# Altium PCB KK_Triangle_cubic.PcbDoc
Units mm, origin at the board's own origin, x right, y up, seen from the top; angles counter-clockwise.
Board outline 136.11 x 69.1 mm, 4 copper layers (Top Layer, POWER, GND, Bottom Layer), stack 0.603 mm thick; 131 components, 100 nets, 491 pads, 151 vias.
Unrouted connection lines stored in the file: 342.
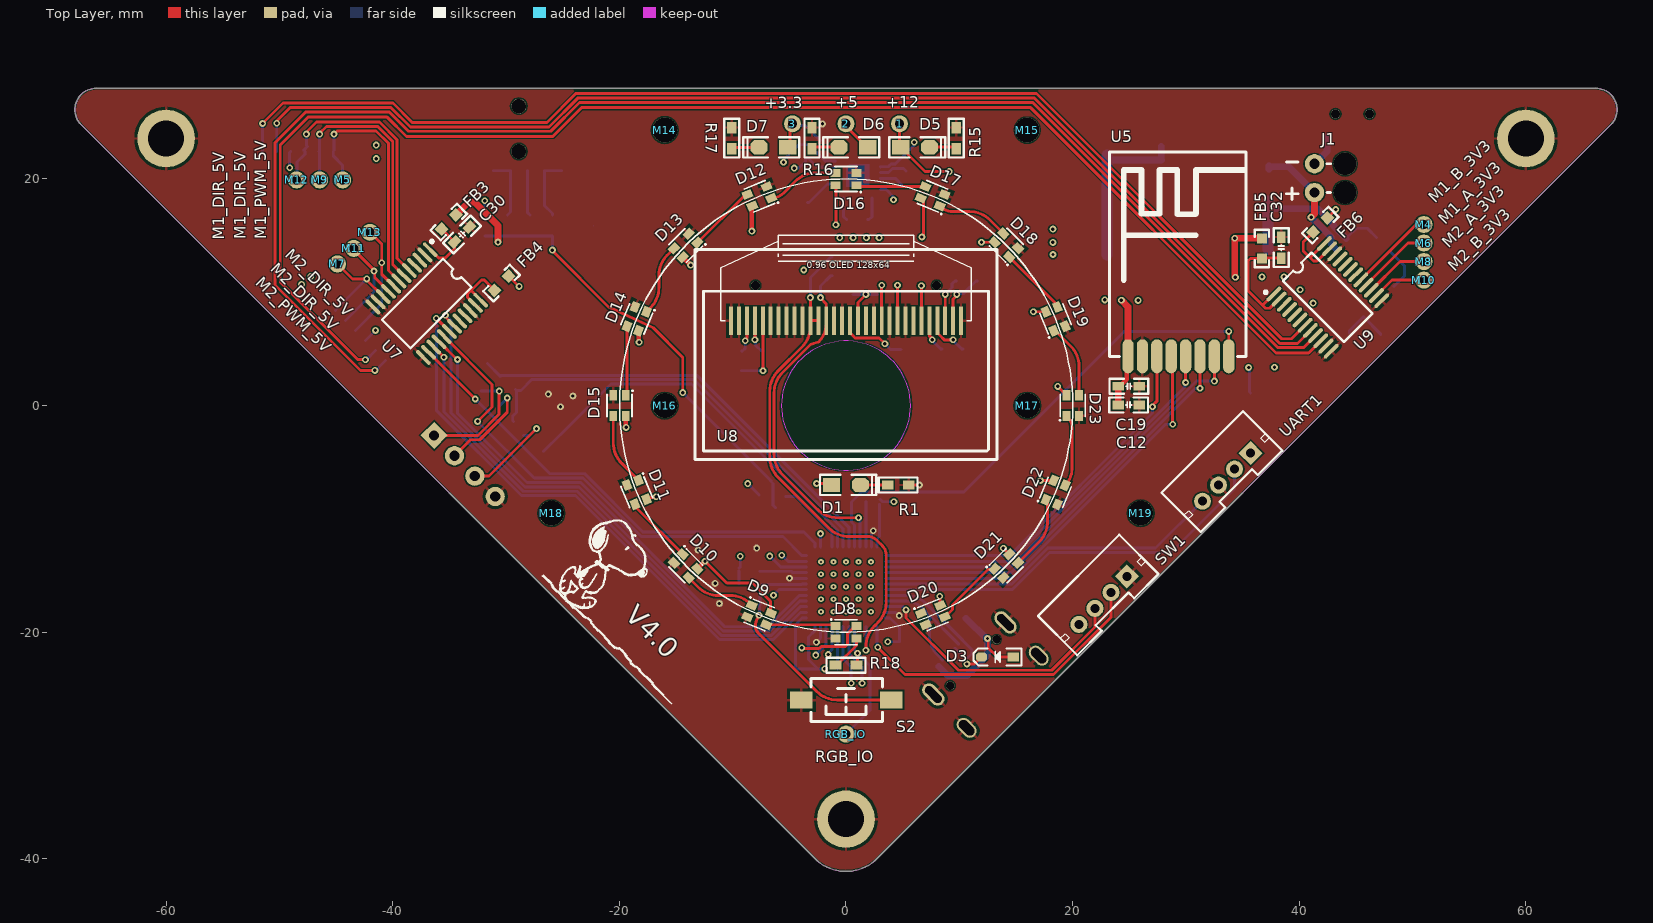
[diagram p0: Top Layer view]
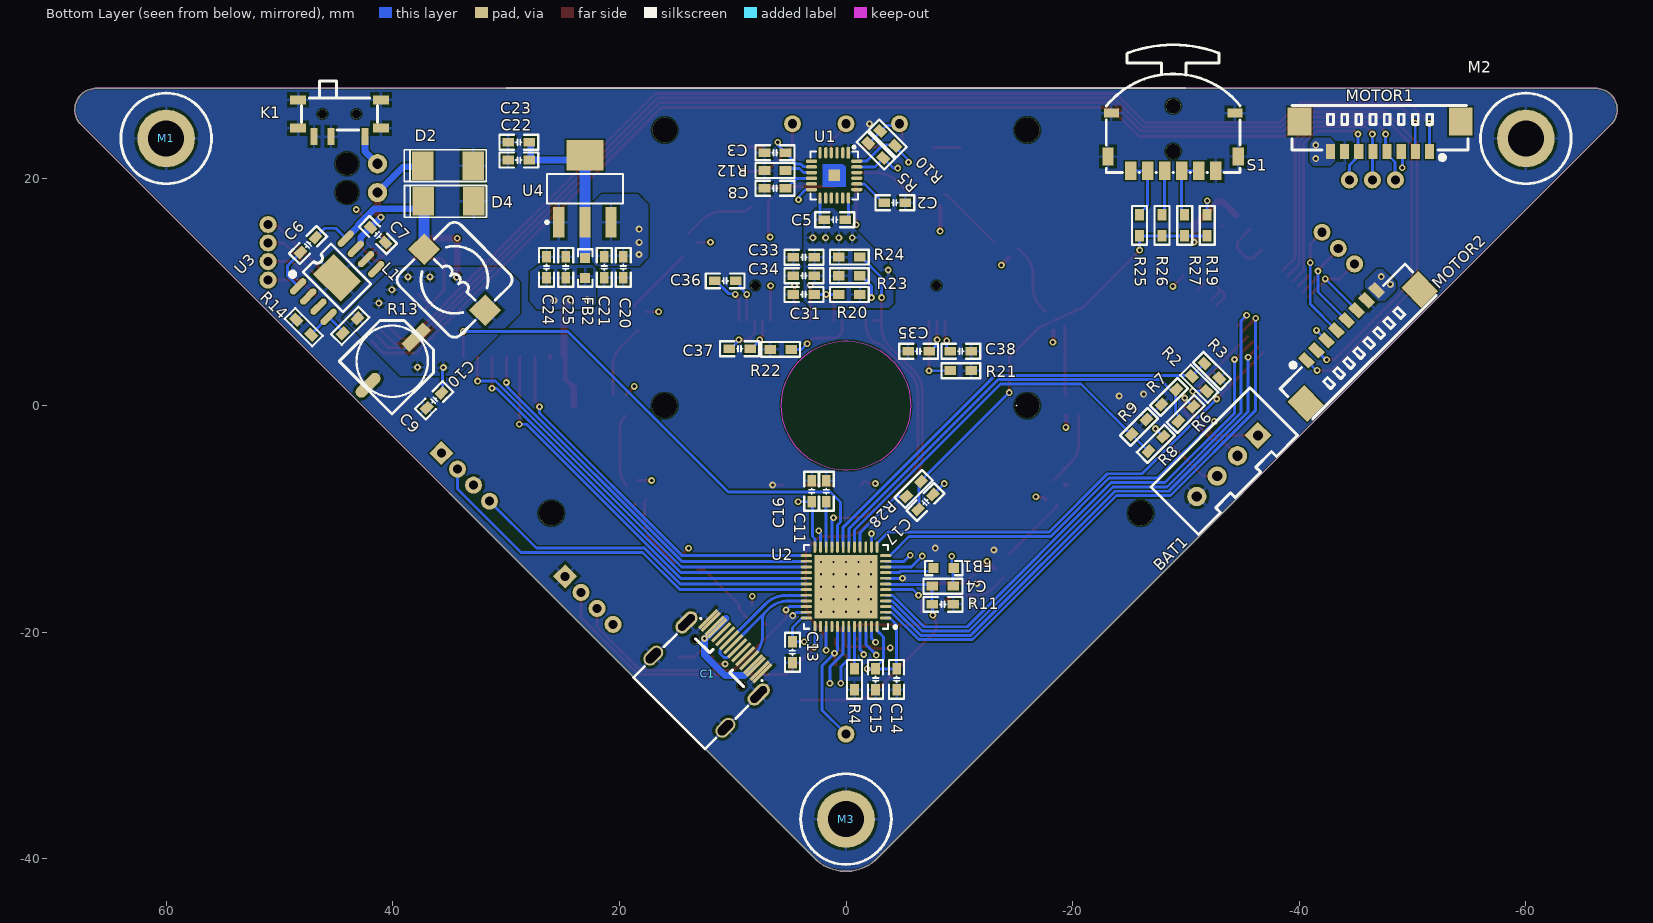
[diagram p1: Bottom Layer view, seen from below]
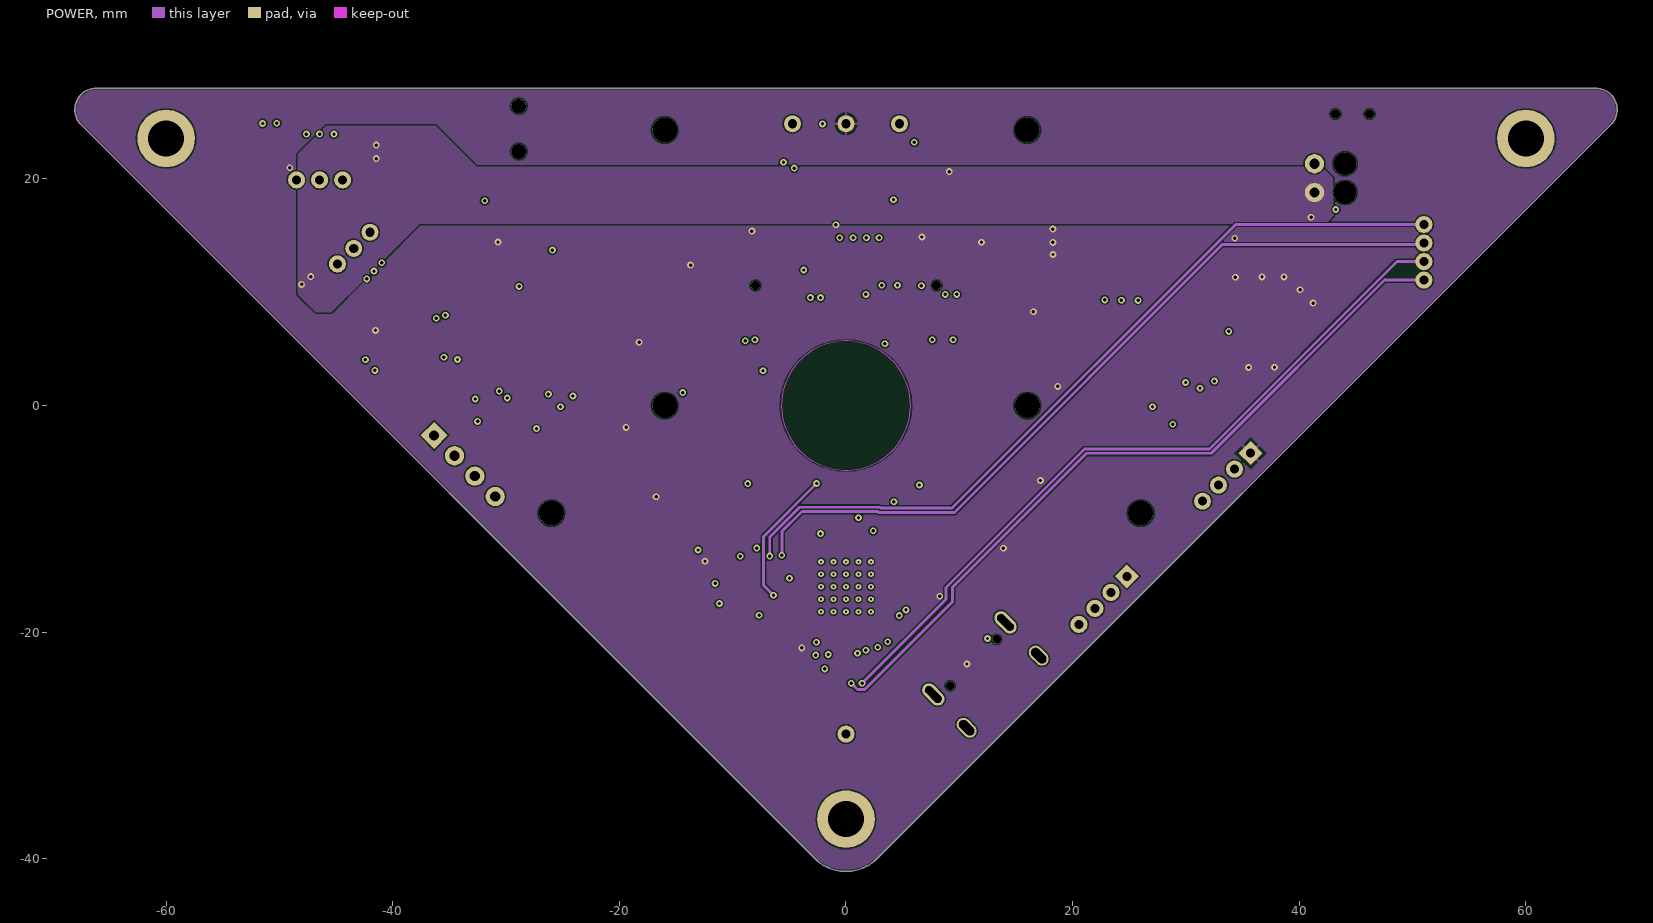
[diagram p2: POWER]
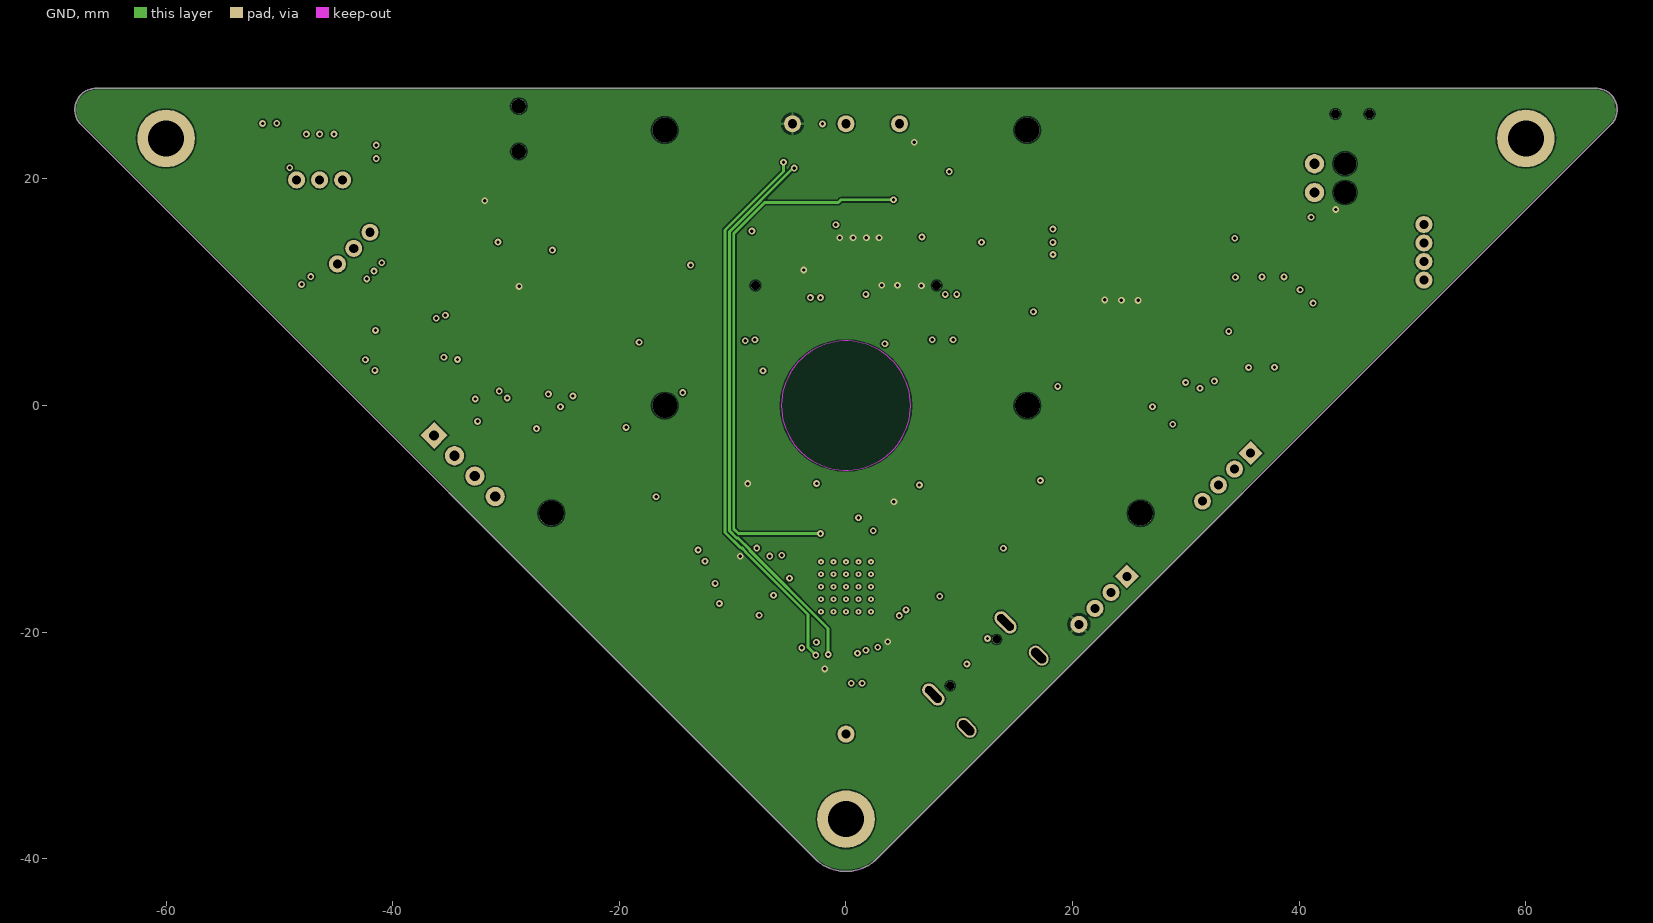
[diagram p3: GND]
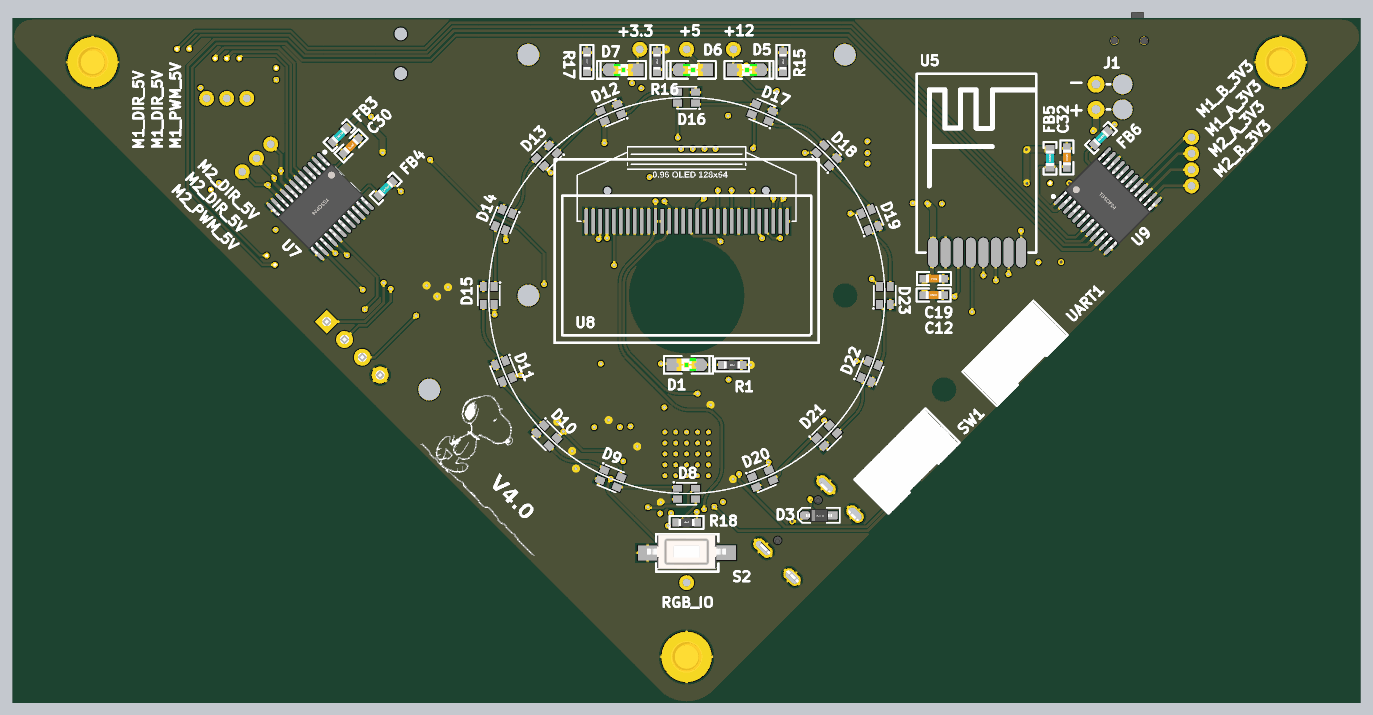
[diagram p4: 3D render of the assembled board from above, using the file's embedded part models]
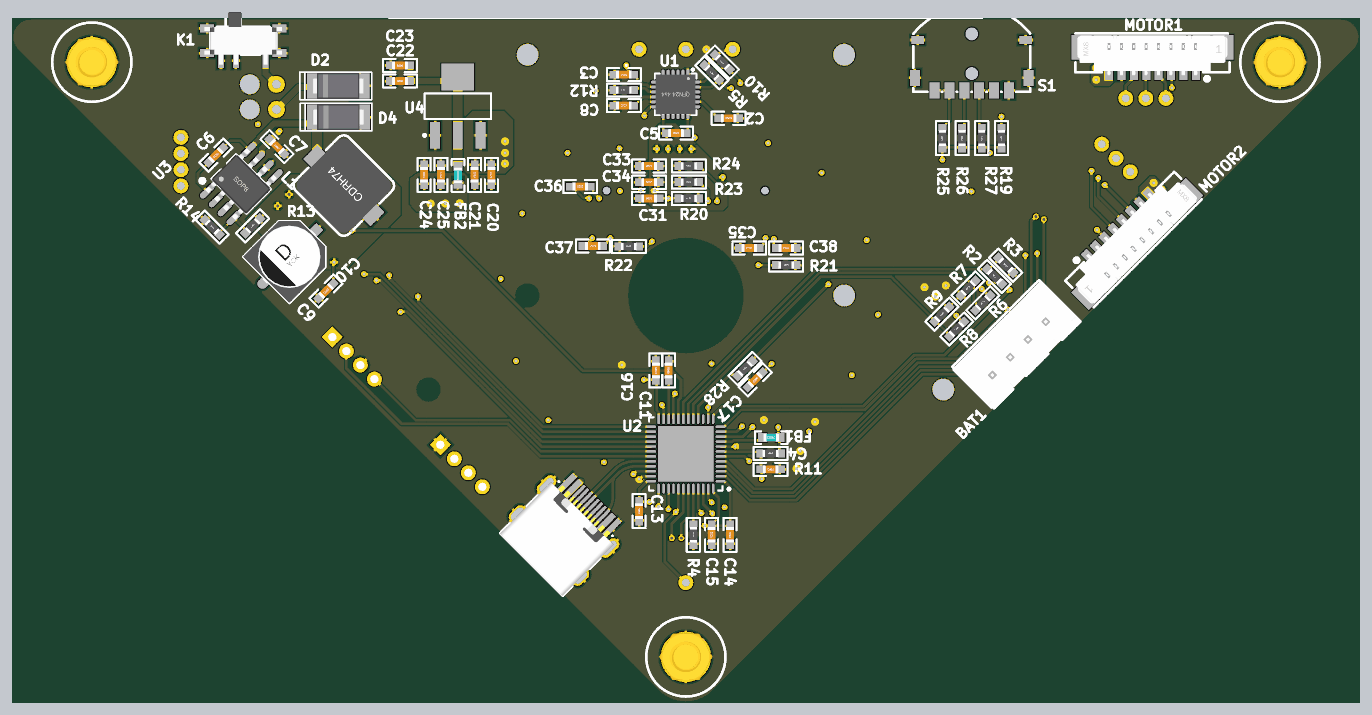
[diagram p5: 3D render of the assembled board from below, using the file's embedded part models]

## Layer stack, top to bottom
Top Solder: solder mask 0.0102, Solder Resist, Dk 3.5
Top Layer: signal copper 0.0356
Dielectric 2: prepreg 0.0711, PP-006, Dk 4.1
POWER: signal copper 0.035
Dielectric 1: dielectric 0.32, FR-4, Dk 4.8
GND: signal copper 0.035
Dielectric 3: prepreg 0.0711, PP-006, Dk 4.1
Bottom Layer: signal copper 0.0356
Bottom Solder: solder mask 0.0102, Solder Resist, Dk 3.5

## Board outline
-67.513,24.793 -2.54,-40.18 ccw(c0,-37.183) 2.54,-40.18 67.513,24.793 ccw(c66.18,26.114) 66.167,27.991 -66.167,27.991 ccw(c-66.18,26.114)
cut-out: -49.2,21.351

## Design rules (kind name [scope] priority, off if disabled: settings)
Clearance [All] p1: gap=0.125 ignorepadtopadclearanceinfootprint=TRUE except(0: Arc-Hole Track-Hole SMDPad-Hole THPad-Hole Via-Hole Fill-Hole Poly-Hole Region-Hole Text-Hole)
DiffPairsRouting [All] p1: maxlimit=0.254 minlimit=0.1 mostfreqgap=0.254 toplayer_minwidth=0.381 toplayer_maxwidth=0.381 toplayer_prefwidth=0.381 midlayer1_mingap=0.254 midlayer1_minwidth=0.381 midlayer1_maxwidth=0.381 midlayer1_prefwidth=0.381 midlayer2_mingap=0.254 midlayer2_minwidth=0.381 midlayer2_maxwidth=0.381 midlayer2_prefwidth=0.381 bottomlayer_minwidth=0.381 bottomlayer_maxwidth=0.381 bottomlayer_prefwidth=0.381 maxuncoupledlength=12.7
Height [All] p1: minheight=0 maxheight=50 prefheight=12.7
HoleSize [All] p1: absolutevalues=TRUE maxlimit=300 minlimit=0.2 maxpercent=80.000 minpercent=20.000
HoleToHoleClearance [All] p1: gap=0.127 allowstackedmicrovias=TRUE
MinimumSolderMaskSliver [All] p1: minsoldermaskwidth=0
PlaneConnect [All] p1: planeconnectstyle=Direct reliefexpansion=0.508 reliefentries=4 reliefconductorwidth=0.254 reliefairgap=0.254
PolygonConnect +12V [InNet('+12')] p1: connectstyle=Direct reliefconductorwidth=0.254 reliefentries=4 polygonreliefangle="90 Angle" airgapwidth=0.254
PolygonConnect PolygonConnect_3 [InNet('+12') vs HasFootprint('No Footprint')] p2: connectstyle=Direct reliefconductorwidth=0.254 reliefentries=4 polygonreliefangle="90 Angle" airgapwidth=0.254
PolygonConnect PolygonConnect_2 [All vs IsNamedPolygon('NONET_L02_P026')] p3: connectstyle=Direct reliefconductorwidth=0.254 reliefentries=4 polygonreliefangle="90 Angle" airgapwidth=0.254
PolygonConnect PolygonConnect_1 [All vs IsNamedPolygon('NONET_L02_P026')] p4: thpad.connectstyle=Direct thpad.reliefconductorwidth=0.254 thpad.reliefentries=4 thpad.polygonreliefangle="90 Angle" thpad.airgapwidth=0.254 smdpad.connectstyle=Relief smdpad.reliefconductorwidth=0.254 smdpad.reliefentries=4 smdpad.polygonreliefangle="90 Angle" smdpad.airgapwidth=0.254 via.connectstyle=Relief via.reliefconductorwidth=0.254 via.reliefentries=4 via.polygonreliefangle="90 Angle" via.airgapwidth=0.254
PolygonConnect [All] p5: thpad.connectstyle=Relief thpad.reliefconductorwidth=0.254 thpad.reliefentries=4 thpad.polygonreliefangle="90 Angle" thpad.airgapwidth=0.254 smdpad.connectstyle=Relief smdpad.reliefconductorwidth=0.254 smdpad.reliefentries=4 smdpad.polygonreliefangle="90 Angle" smdpad.airgapwidth=0.254 via.connectstyle=Direct via.reliefconductorwidth=0.254 via.reliefentries=4 via.polygonreliefangle="90 Angle" via.airgapwidth=0.254
RoutingVias [All] p1: holewidth=0.3 width=0.6 viastyle="Through Hole" minholewidth=0.2 minwidth=0.6 maxholewidth=0.711 maxwidth=1.27
SilkToSilkClearance [All] p1: silktosilkclearance=0
SilkToSolderMaskClearance [IsPad] p1: minsilkscreentomaskgap=0 clearancetoexposedcopper=TRUE
SolderMaskExpansion [All] p1: expansion=0.102
UnRoutedNet [All] p1: checkbadconnections=TRUE
Width [All] p1: maxlimit=1 minlimit=0.127 preferedwidth=0.254 toplayer_prefwidth=0.127 midlayer1_minwidth=0.254 midlayer2_minwidth=0.254 bottomlayer_prefwidth=0.127 minimp=50.000000 maximp=50.000000 favimp=50.000000
21 further rules are at their usual default settings.

## Components (designator, comment, footprint, x,y, rotation, side; value= is the part's Value field where it differs from the comment)
1 "+12" TEST_POINT#1 4.724,24.867 r270 top
2 "+5" TEST_POINT#2 -0.178,24.867 r270 top
3 "+3.3" TEST_POINT#3 -5.08,24.867 r270 top
BAT1 "BALANCE_PORT" XH2.54-LI-4P -33.655,-5.334 r315 bottom
C1 "TYPE_C_16Pin" USB-C-SMD_TYPE-C-USB-5 11.811,-23.241 r225 bottom locked
C2 "Cap" "C 0603_M" -4.318,17.907 r180 bottom value=2.2nF
C3 "Cap" "C 0603_M" 6.266,22.305 r0 bottom value=100nF
C4 "Cap" "C 0603_M" -8.56,-17.551 r0 bottom value=100nF
C5 "Cap" "C 0603_M" 0.991,16.408 r180 bottom value=10nF
C6 "Cap" "C 0603_M" 47.473,14.173 r315 bottom value=10nF
C7 "Cap" "C 0603_M" 41.305,15.042 r45 bottom value=10uF
C8 "Cap" "C 0603_M" 6.266,19.177 r180 bottom value=100nF
C9 "Cap2" "CM D(6.3*7.7)" 40.056,3.912 r135 bottom value=220uF
C10 "Cap" "C 0603_M" 36.347,0.457 r315 bottom value=100nF
C11 "Cap" "C 0603_M" 1.75,-7.569 r90 bottom value=4.7uF
C12 "Cap" "C 0603_M" 24.943,0.051 r180 top value=10uF
C13 "Cap" "C 0603_M" 4.724,-21.776 r90 bottom value=10uF
C14 "Cap" "C 0603_M" -4.464,-24.167 r90 bottom value=100nF
C15 "Cap" "C 0603_M" -2.607,-24.167 r90 bottom value=100nF
C16 "Cap" "C 0603_M" 3.029,-7.569 r270 bottom value=100nF
C17 "Cap" "C 0603_M" -7.01,-8.51 r315 bottom value=4.7uF
C19 "Cap" "C 0603_M" 24.968,1.702 r180 top value=100nF
C20 "Cap" "C 0603_M" 19.651,12.195 r90 bottom value=100nF
C21 "Cap" "C 0603_M" 21.346,12.195 r90 bottom value=10uF
C22 "Cap" "C 0603_M" 28.873,21.666 r0 bottom value=100nF
C23 "Cap" "C 0603_M" 28.873,23.241 r0 bottom value=10uF
C24 "Cap" "C 0603_M" 26.433,12.195 r90 bottom value=100nF
C25 "Cap" "C 0603_M" 24.737,12.195 r90 bottom value=10uF
C30 "Cap" "C 0603_M" -33.889,15.099 r225 top value=100nF
C31 "Cap" "C 0603_M" 3.708,9.804 r180 bottom value=4.7uF
C32 "Cap" "C 0603_M" 38.405,13.945 r270 top value=100nF
C33 "Cap" "C 0603_M" 3.708,13.081 r180 bottom value=1uF
C34 "Cap" "C 0603_M" 3.708,11.443 r180 bottom value=1uF
C35 "Cap" "C 0603_M" -6.401,4.801 r0 bottom value=4.7uF
C36 "Cap" "C 0603_M" 10.668,10.998 r180 bottom value=1uF
C37 "Cap" "C 0603_M" 9.398,5.004 r180 bottom value=1uF
C38 "Cap" "C 0603_M" -10.135,4.801 r180 bottom value=2.2uF
D1 "LED1" "LED 0805G" 0,-7.01 r0 top
D2 "Diode 1N4934" 1N5819(SMD) 32.893,21.17 r0 bottom
D3 "Diode 1N4934" SOD-323 13.36,-22.2 r180 top
D4 "Diode 1N4934" 1N5819(SMD) 32.868,18.021 r0 bottom
D5 "LED1" "LED 0805G" 6.096,22.784 r0 top
D6 "LED1" "LED 0805G" 0.656,22.784 r180 top
D7 "LED1" "LED 0805G" -6.401,22.784 r180 top
D8 "WS2812B" WS2812B-2020 0,-20.015 r0 top locked
D9 "WS2812B" WS2812B-2020 -7.671,-18.491 r337.5 top locked
D10 "WS2812B" WS2812B-2020 -14.148,-14.148 r315 top locked
D11 "WS2812B" WS2812B-2020 -18.466,-7.645 r292.5 top locked
D12 "WS2812B" WS2812B-2020 -7.645,18.466 r202.5 top locked
D13 "WS2812B" WS2812B-2020 -14.148,14.122 r225 top locked
D14 "WS2812B" WS2812B-2020 -18.466,7.645 r247.5 top locked
D15 "WS2812B" WS2812B-2020 -19.99,0 r270 top locked
D16 "WS2812B" WS2812B-2020 0,19.99 r180 top locked
D17 "WS2812B" WS2812B-2020 7.645,18.466 r157.5 top locked
D18 "WS2812B" WS2812B-2020 14.148,14.148 r135 top locked
D19 "WS2812B" WS2812B-2020 18.491,7.645 r112.5 top locked
D20 "WS2812B" WS2812B-2020 7.671,-18.491 r22.5 top locked
D21 "WS2812B" WS2812B-2020 14.148,-14.148 r45 top locked
D22 "WS2812B" WS2812B-2020 18.491,-7.671 r67.5 top locked
D23 "WS2812B" WS2812B-2020 20.015,0 r90 top locked
FB1 "BLM18AG102SN1" "L 0603" -8.623,-14.351 r0 bottom
FB2 "BLM18AG102SN1" "L 0603" 23.016,12.131 r270 bottom
FB3 "BLM18AG102SN1" "L 0603" -35.056,16.195 r45 top
FB4 "BLM18AG102SN1" "L 0603" -30.397,10.801 r45 top
FB5 "BLM18AG102SN1" "L 0603" 36.703,13.868 r90 top
FB6 "BLM18AG102SN1" "L 0603" 41.859,15.926 r45 top
J1 "JST_COM" JST_COM 41.732,0.864 r0 top
K1 "SW-MSK-12C02" MSK-12C01-07 44.704,25.73 r0 bottom locked
L1 "Inductor" CDRH74 34.544,11.1 r225 bottom value=22uH
M1 "M3" M3x40+6_L 60,23.571 r0 bottom locked
M2 "M3" M3x40+6_L -60,23.571 r0 bottom locked
M3 "M3" M3x40+6_L 0,-36.5 r0 bottom locked
M4 "M1_A_3V3" TEST_POINT#1 51.003,15.977 r180 top
M5 "M1_PWM_5V" TEST_POINT#1 -44.425,19.914 r135 top
M6 "M1_B_3V3" TEST_POINT#1 51.003,14.343 r180 top
M7 "M2_PWM_5V" TEST_POINT#1 -44.882,12.497 r270 top
M8 "M2_A_3V3" TEST_POINT#1 51.003,12.708 r180 top
M9 "M1_DIR_5V" TEST_POINT#1 -46.457,19.914 r135 top
M10 "M2_B_3V3" TEST_POINT#1 51.003,11.074 r180 top
M11 "M2_DIR_5V" TEST_POINT#1 -43.447,13.864 r270 top
M12 "M1_DIR_5V" TEST_POINT#1 -48.489,19.914 r135 top
M13 "M2_DIR_5V" TEST_POINT#1 -42.012,15.291 r270 top
M14 "M2.2" H2.2#1 70.536,-28.61 r180 top
M15 "M2.2" H2.2#2 15.987,24.317 r180 top
M16 "M2.2" H2.2#3 -15.987,-28.61 r180 top
M17 "M2.2" H2.2#4 87.3,-28.61 r180 top
M18 "M2.2" H2.2#5 70.536,-38.364 r180 top
M19 "M2.2" H2.2#6 76.124,-38.364 r180 top
MOTOR1 "NIDEC_MOTOR" "MX 1.25-LS-8P" -47.117,24.689 r0 bottom locked
MOTOR2 "NIDEC_MOTOR" "MX 1.25-LS-8P" -45.339,5.486 r135 bottom locked
R1 "Res2" "R 0603_M" 4.597,-7.01 r180 top value=4.7K
R2 "Res2" "R 0603_M" -31.173,1.93 r225 bottom value=96K
R3 "Res2" "R 0603_M" -32.3,3.057 r45 bottom value=30K
R4 "Res2" "R 0603_M" -0.75,-24.167 r270 bottom value=10K
R5 "Res2" "R 0603_M" -2.626,22.504 r45 bottom value=4.7K
R6 "Res2" "R 0603_M" -29.993,-0.741 r135 bottom value=54K
R7 "Res2" "R 0603_M" -28.502,0.749 r135 bottom value=30K
R8 "Res2" "R 0603_M" -27.352,-3.382 r135 bottom value=12K
R9 "Res2" "R 0603_M" -25.862,-1.891 r315 bottom value=30K
R10 "Res2" "R 0603_M" -3.686,23.571 r45 bottom value=4.7K
R11 "Res2" "R 0603_M" -8.56,-15.939 r180 bottom value=10K
R12 "Res2" "R 0603_M" 6.266,20.741 r180 bottom value=4.7K
R13 "Res2" "R 0603_M" 43.764,7.036 r135 bottom value=10K
R14 "Res2" "R 0603_M" 47.854,6.909 r225 bottom value=3.24K
R15 "Res2" "R 0603_M" 9.728,23.609 r270 top value=1K2
R16 "Res2" "R 0603_M" -2.997,23.609 r270 top value=500R
R17 "Res2" "R 0603_M" -10.084,23.609 r270 top value=330R
R18 "Res2" "R 0603_M" 0,-22.911 r0 top value=0/UN
R19 "Res2" "R 0603_M" -31.877,15.9 r90 bottom value=1K
R20 "Res2" "R 0603_M" -0.305,9.804 r180 bottom value=4.7K
R21 "Res2" "R 0603_M" -10.135,3.073 r180 bottom value=910K
R22 "Res2" "R 0603_M" 5.766,4.953 r180 bottom value=4.7K/UN
R23 "Res2" "R 0603_M" -0.305,11.453 r180 bottom value=4.7K
R24 "Res2" "R 0603_M" -0.305,13.101 r180 bottom value=4.7K
R25 "Res2" "R 0603_M" -25.906,15.9 r90 bottom value=3K
R26 "Res2" "R 0603_M" -27.896,15.9 r90 bottom value=2K
R27 "Res2" "R 0603_M" -29.887,15.9 r90 bottom value=1K
R28 "Res2" "R 0603_M" -5.969,-7.366 r135 bottom value=4.7K
RGB_IO "RGB_IO" TEST_POINT#4 0.127,-29.591 r270 top
S1 "TM-1011A" TM-1011A -28.874,23.571 r180 bottom
S2 "SW-SPST" "TSW SMD-3*6*2.5" 0,-26 r180 top locked
SW1 "Header_4" PH2.0-L-Z-4P 24.799,-15.079 r225 top locked
U1 "MPU6050" "QFN24 4x4_M" 1.043,20.311 r0 bottom
U2 "STM32F401CCUX" STM-UFQFPN48_M 0,-16 r0 bottom locked
U3 "TPS5430DDAR" TPS5430DDAR 48.356,10.523 r225 bottom
U4 "AMS1117_3V3" SOT223_M 23.038,19.126 r90 bottom
U5 "NRF24L01" NRF24L01_MIN 24.892,4.343 r0 top locked
U7 "SN74LVC4245APWR" TSSOP24_M -37,9 r315 top
U8 "0.96_OLED_128x64" 0.96_OLED 0.006,2.235 r180 top locked
U9 "SN74LVC4245APWR" TSSOP24_M 42.52,9.55 r45 top locked
UART1 "Header_4" PH2.0-L-Z-4P 35.704,-4.199 r225 top

## Footprints (in the part's own frame and the unit in brackets; to place one, negate y for a bottom-side part, rotate by r counter-clockwise, add the part's x,y. Pads: shape width x height; smd on the part's side, far side on the other; paste and mask are expansions set on the pad)
0.96_OLED [mm] "QG-2864KSWEG01"
  rect 0.351x2.499 smd: 1(-10.149,-5.256) 2(-9.449,-5.258) 3(-8.749,-5.258) 4(-8.049,-5.258) 5(-7.349,-5.258) 6(-6.649,-5.258) 7(-5.949,-5.258) 8(-5.25,-5.258) 9(-4.55,-5.258) 10(-3.85,-5.258) 11(-3.15,-5.258) 12(-2.45,-5.258) 13(-1.75,-5.258) 14(-1.05,-5.258) 15(-0.35,-5.258) 16(0.35,-5.258) 17(1.05,-5.258) 18(1.75,-5.258) 19(2.45,-5.258) 20(3.15,-5.258) 21(3.85,-5.258) 22(4.55,-5.258) 23(5.25,-5.258) 24(5.949,-5.258) 25(6.649,-5.258) 26(7.349,-5.258) 27(8.049,-5.258) 28(8.749,-5.26) 29(9.449,-5.261) 30(10.149,-5.261)
  round 0.8 hole 0.8 unplated: ""(-8,-8.358) ""(8,-8.358)
  silkscreen extent -13.32,-12.8 13.35,7.01
1N5819(SMD) [mm] "淘宝ID:黄晶宝石"
  rect 1.905x2.54 smd: A(0,0) K(4.445,0)
  silkscreen extent -1.14,-1.4 6.1,1.4, body extent -0.38,-1.3 4.82,1.3, height 2.4
"C 0603_M" [mil] "无极性贴片电容                                淘宝ID:黄晶宝石"
  rect 40x30 smd: 1(-36.5,0) 2(36.5,0)
  silkscreen extent -68,-26 68,26, body extent -31,-16 31,16, height 32
CDRH74 [mm] "7.3*7.3*4.5mm（长宽高）"
  rect 2x2 smd: 1(-3.81,0) 2(3.81,0)
  silkscreen extent -3.81,-3.81 3.81,3.81, body extent -3.65,-3.65 3.65,3.65, height 4.5
"CM D(6.3*7.7)" [mm] "贴片电解电容，直径6.3mm，高7.7mm         淘宝ID:黄晶宝石"
  rect 2.7x1 smd: 1(3,0)
  oval 2.7x1 smd: 2(-3,0)
  silkscreen extent -3.3,-3.3 3.3,3.3, body extent -3.5,-3.3 3.5,3.3, height 7.7
H2.2#1 [mm] "H2.5"
  round 2.2 hole 2.2: 1(86.523,-52.927)
H2.2#2 [mm] "H2.5"
  round 2.2 hole 2.2: 1(0,0)
H2.2#3 [mm] "H2.5"
  round 2.2 hole 2.2: 1(0,-28.61)
H2.2#4 [mm] "H2.5"
  round 2.2 hole 2.2: 1(71.287,-28.61)
H2.2#5 [mm] "H2.5"
  round 2.2 hole 2.2: 1(96.536,-28.864)
H2.2#6 [mm] "H2.5"
  round 2.2 hole 2.2: 1(50.124,-28.864)